# KiCad board Main.kicad_pcb (continued)
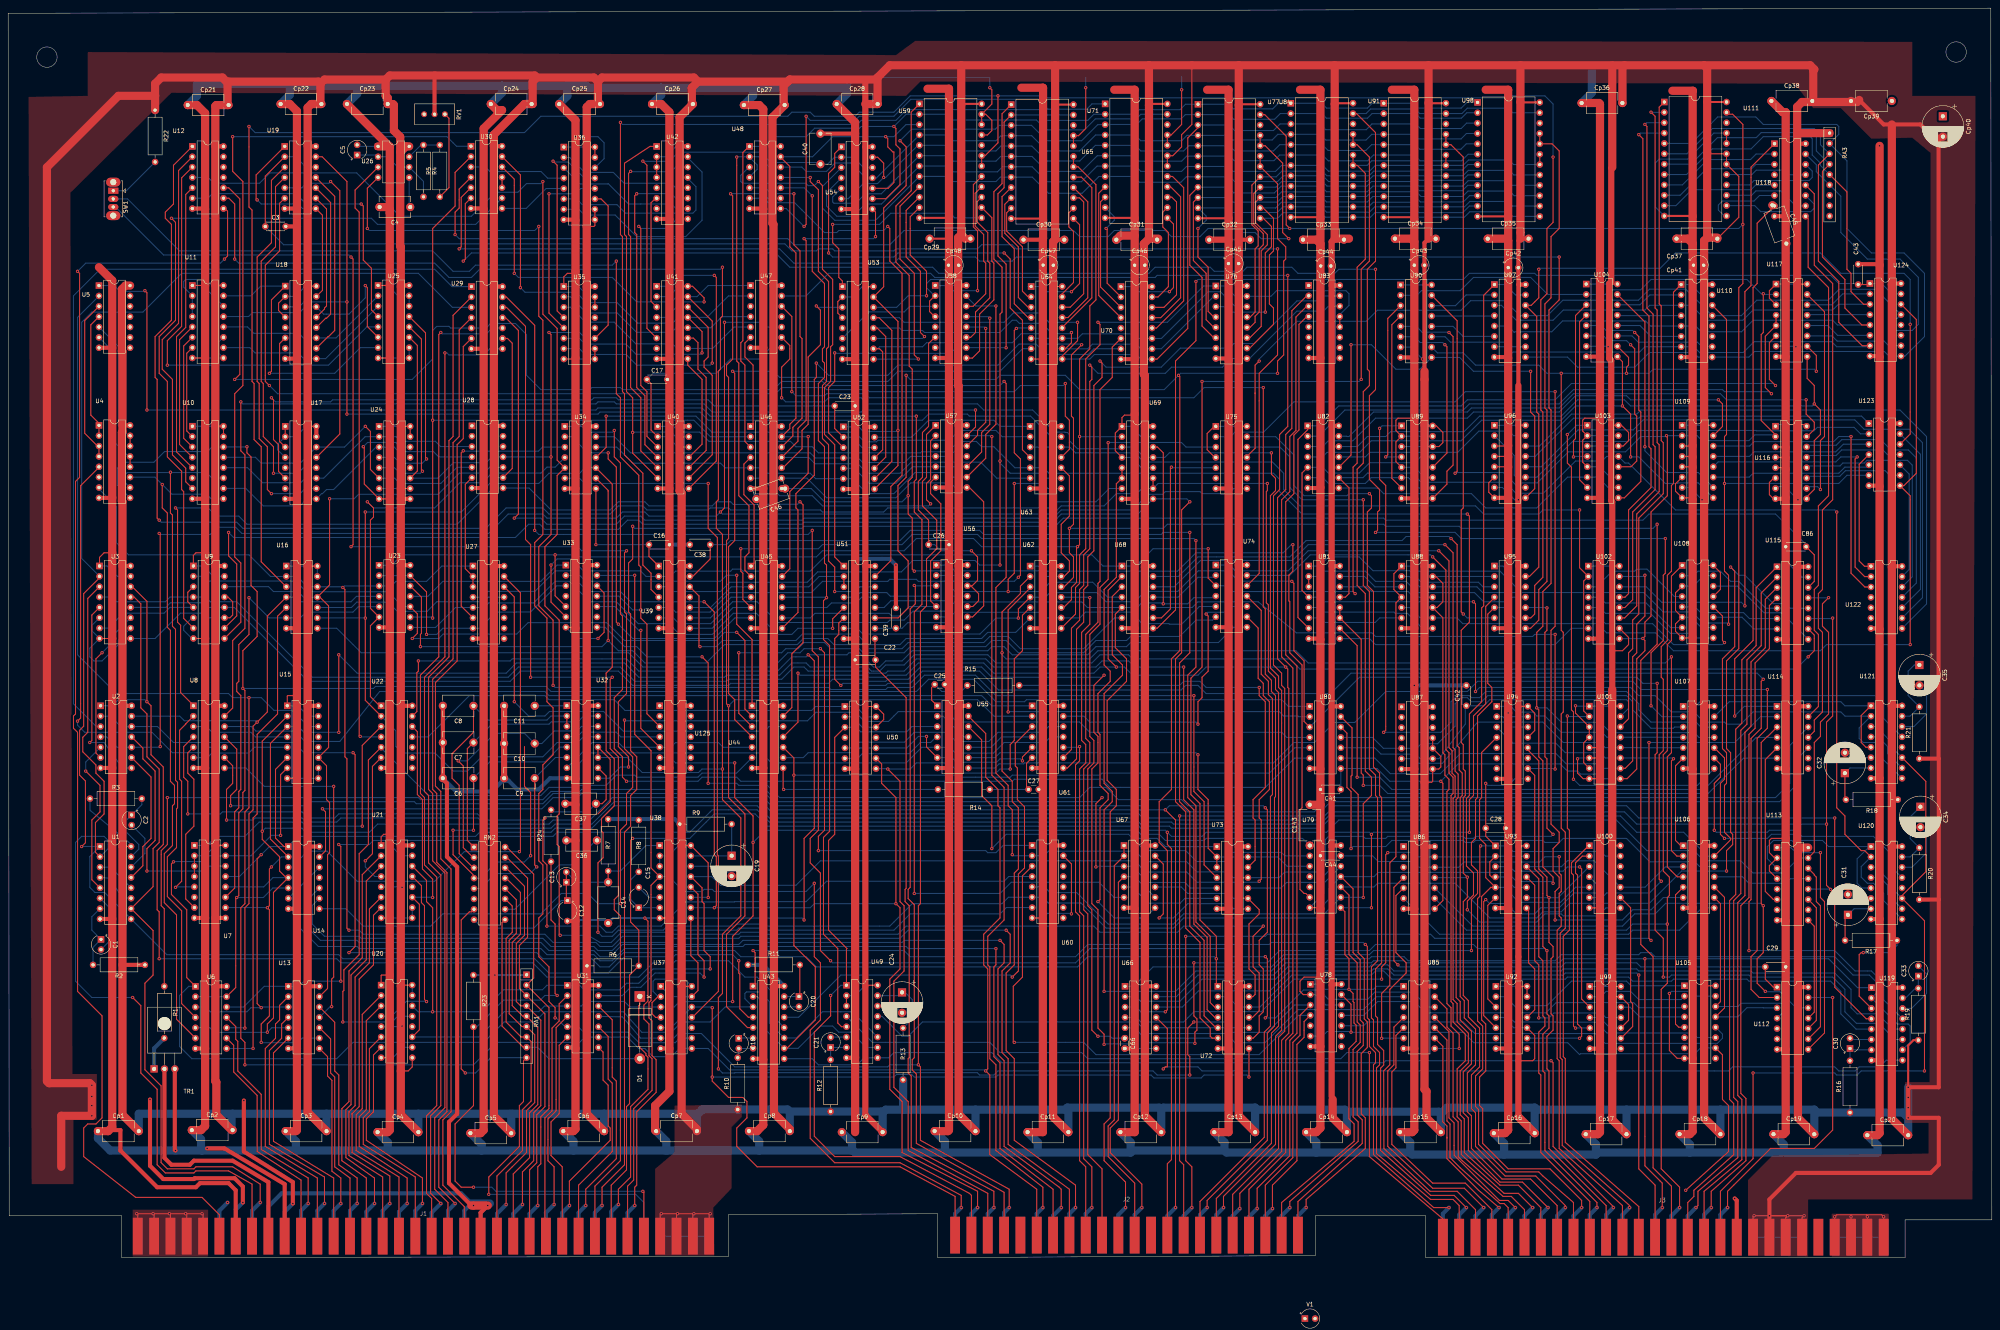
[diagram p0: board, top side]
## Library data of the parts (continued)
U59 U65 U71 U77 U84 U91 U98 U111 = -: Description: OTP EPROM 64 KiBit, [Obsolete 2004-01]; Sim.Device: SUBCKT; Sim.Library: ../IC.LIB; Sim.Name: ROM
U60 U89 U103 U108 U118 = -: Description: Quad 2 to 1 line Multiplexer; Sim.Device: SUBCKT; Sim.Library: ../7400.LIB; Sim.Name: 74157; Sim.Pins: 1=strb 2=selectab 3=1a 4=1b 5=1y 6=2a 7=2b 8=2y 9=3a 10=3b 11=3y 12=4a 13=4b 14=4y 15=TTLin 16=TTLin
U61 U63 U72 U86 U122 = -: Description: quad 2-input NOR gate; Sim.Device: SUBCKT; Sim.Library: ../7400.LIB; Sim.Name: 7402; Sim.Pins: 1=in1 2=in2 3=out
U64 = -: Description: Multiplexer 8 to 1; Sim.Device: SUBCKT; Sim.Library: /home/stoned/MonacoGP/7400.LIB; Sim.Name: 74151A; Sim.Pins: 1=ebar 2=s0 3=s1 4=s2 5=i0 6=i1 7=i2 8=i3 9=i4 10=i5 11=i6 12=i7 13=z 14=zbar 15=TTLin 16=TTLin
U67 U100 = -: Description: dual 2-wide 2-input AND-OR-INVERT gates (one gate expandable); Sim.Device: SUBCKT; Sim.Library: ../7400.LIB; Sim.Pins: 1=1a 2=1b 3=1c 4=1d 5=x 6=xb 7=1y 8=2a 9=2b 10=2c 11=2d 12=2y 13=TTLin 14=TTLin
U74 = -: Description: Triple 3-input NOR; Sim.Device: SUBCKT; Sim.Library: ../7400.LIB; Sim.Name: 7427
U83 = -: Description: 4 to 10 line Decoder; Sim.Device: SUBCKT; Sim.Library: ../7400.LIB; Sim.Name: 7442
U85 U125 = -: Description: Triple 3-input AND; Sim.Device: SUBCKT; Sim.Library: ../7400.LIB; Sim.Name: 7411; Sim.Pins: 1=in1 2=in2 3=in3 4=out
U87 = -: Description: Dual JK Flip-Flop, reset; Sim.Device: SUBCKT; Sim.Library: ../7400.LIB; Sim.Name: 74107; Sim.Pins: 1=clk 2=clrbar 3=j 4=k 5=q 6=qbar 7=TTLout 8=TTLout
U90 U96 U101 U102 U104 U109 U116 U117 = -: Description: Synchronous 4-bit programmable binary Counter; Sim.Device: SUBCKT; Sim.Library: ../7400.LIB; Sim.Name: 74161; Sim.Pins: 1=clk 2=enp 3=ent 4=clrb 5=loadb 6=a 7=b 8=c 9=d 10=qa 11=qb 12=qc 13=qd 14=rco 15=TTLout 16=TTLout
U94 = -: Description: 8-bit addressable latch; Sim.Device: SUBCKT; Sim.Library: ../7400.LIB; Sim.Name: 74259; Sim.Pins: 1=clrb 2=gb 3=d 4=s0 5=s1 6=s2 7=q0 8=q1 9=q2 10=q3 11=q4 12=q5 13=q6 14=q7 15=TTLout 16=TTLout
U97 U110 U124 = -: Description: Hex Bus Driver 3-state outputs; Sim.Device: SUBCKT; Sim.Library: ../7400.LIB; Sim.Name: 74367A; Sim.Pins: 1=1a1 2=1a2 3=1a3 4=1a4 5=2a1 6=2a2 7=g1b 8=g2b 9=1y1 10=1y2 11=1y3 12=1y4 13=2y1 14=2y2 15=TTLout 16=TTLout
U105 U115 = -: Description: 256-Bit TTL PROM; Sim.Device: SUBCKT; Sim.Library: ../IC.LIB
V1 = -: Description: Voltage source, DC; Sim.Device: V; Sim.Pins: 1=+ 2=-; Sim.Type: DC

## Footprints (pads in the part's own frame, mm; a bottom-side part is the same pattern mirrored in y, then rotated)
C_Disc_D3.0mm_W1.6mm_P2.50mm
  round 1.6 hole 0.8: 1(0,0) 2(2.5,0)
C_Disc_D4.3mm_W1.9mm_P5.00mm
  round 1.6 hole 0.8: 1(0,0) 2(5,0)
C_Disc_D4.7mm_W2.5mm_P5.00mm
  round 1.6 hole 0.8: 1(0,0) 2(5,0)
C_Disc_D7.5mm_W5.0mm_P7.50mm
  round 2 hole 1: 1(0,0) 2(7.5,0)
C_Disc_D7.5mm_W5.0mm_P10.00mm
  round 2 hole 1: 1(0,0) 2(10,0)
CP_Radial_D10.0mm_P5.00mm
  rect 2x2 hole 1: 1(0,0)
  round 2 hole 1: 2(5,0)
CP_Radial_Tantal_D4.5mm_P2.50mm
  rect 1.6x1.6 hole 0.8: 1(0,0)
  round 1.6 hole 0.8: 2(2.5,0)
CP_Radial_Tantal_D4.5mm_P5.00mm
  rect 1.6x1.6 hole 0.8: 1(0,0)
  round 1.6 hole 0.8: 2(5,0)
D_DO-201AE_P15.24mm_Horizontal
  rect 2.6x2.6 hole 1.3: 1(0,0)
  oval 2.6x2.6 hole 1.3: 2(15.24,0)
DIP-8_W7.62mm
  rect 1.6x1.6 hole 0.8: 1(0,0)
  oval 1.6x1.6 hole 0.8: 2(0,-2.54) 3(0,-5.08) 4(0,-7.62) 5(7.62,-7.62) 6(7.62,-5.08) 7(7.62,-2.54) 8(7.62,0)
DIP-14_W7.62mm
  rect 1.6x1.6 hole 0.8: 1(0,0)
  oval 1.6x1.6 hole 0.8: 2(0,-2.54) 3(0,-5.08) 4(0,-7.62) 5(0,-10.16) 6(0,-12.7) 7(0,-15.24) 8(7.62,-15.24) 9(7.62,-12.7) 10(7.62,-10.16) 11(7.62,-7.62) 12(7.62,-5.08) 13(7.62,-2.54) 14(7.62,0)
DIP-16_W7.62mm
  rect 1.6x1.6 hole 0.8: 1(0,0)
  oval 1.6x1.6 hole 0.8: 2(0,-2.54) 3(0,-5.08) 4(0,-7.62) 5(0,-10.16) 6(0,-12.7) 7(0,-15.24) 8(0,-17.78) 9(7.62,-17.78) 10(7.62,-15.24) 11(7.62,-12.7) 12(7.62,-10.16) 13(7.62,-7.62) 14(7.62,-5.08) 15(7.62,-2.54) 16(7.62,0)
DIP-24_W15.24mm
  rect 1.6x1.6 hole 0.8: 1(0,0)
  oval 1.6x1.6 hole 0.8: 2(0,-2.54) 3(0,-5.08) 4(0,-7.62) 5(0,-10.16) 6(0,-12.7) 7(0,-15.24) 8(0,-17.78) 9(0,-20.32) 10(0,-22.86) 11(0,-25.4) 12(0,-27.94) 13(15.24,-27.94) 14(15.24,-25.4) 15(15.24,-22.86) 16(15.24,-20.32) 17(15.24,-17.78) 18(15.24,-15.24) 19(15.24,-12.7) 20(15.24,-10.16) 21(15.24,-7.62) 22(15.24,-5.08) 23(15.24,-2.54) 24(15.24,0)
MainA
  rect 2.4x9 smd: 1(-70,-5) 2(-66,-5) 3(-62,-5) 4(-58,-5) 5(-54,-5) 6(-50,-5) 7(-46,-5) 8(-42,-5) 9(-38,-5) 10(-34,-5) 11(-30,-5) 12(-26,-5) 13(-22,-5) 14(-18,-5) 15(-14,-5) 16(-10,-5) 17(-6,-5) 18(-2,-5) 19(2,-5) 20(6,-5) 21(10,-5) 22(14,-5) 23(18,-5) 24(22,-5) 25(26,-5) 26(30,-5) 27(34,-5) 28(38,-5) 29(42,-5) 30(46,-5) 31(50,-5) 32(54,-5) 33(58,-5) 34(62,-5) 35(66,-5) 36(70,-5)
  rect 2.4x9 smd far side: 37(-70,-5) 38(-66,-5) 39(-62,-5) 40(-58,-5) 41(-54,-5) 42(-50,-5) 43(-46,-5) 44(-42,-5) 45(-38,-5) 46(-34,-5) 47(-30,-5) 48(-26,-5) 49(-22,-5) 50(-18,-5) 51(-14,-5) 52(-10,-5) 53(-6,-5) 54(-2,-5) 55(2,-5) 56(6,-5) 57(10,-5) 58(14,-5) 59(18,-5) 60(22,-5) 61(26,-5) 62(30,-5) 63(34,-5) 64(38,-5) 65(42,-5) 66(46,-5) 67(50,-5) 68(54,-5) 69(58,-5) 70(62,-5) 71(66,-5) 72(70,-5)
MainB
  rect 2.4x9 smd: 1(-42,-5) 2(-38,-5) 3(-34,-5) 4(-30,-5) 5(-26,-5) 6(-22,-5) 7(-18,-5) 8(-14,-5) 9(-10,-5) 10(-6,-5) 11(-2,-5) 12(2,-5) 13(6,-5) 14(10,-5) 15(14,-5) 16(18,-5) 17(22,-5) 18(26,-5) 19(30,-5) 20(34,-5) 21(38,-5) 22(42,-5)
  rect 2.4x9 smd far side: 23(-42,-5) 24(-38,-5) 25(-34,-5) 26(-30,-5) 27(-26,-5) 28(-22,-5) 29(-18,-5) 30(-14,-5) 31(-10,-5) 32(-6,-5) 33(-2,-5) 34(2,-5) 35(6,-5) 36(10,-5) 37(14,-5) 38(18,-5) 39(22,-5) 40(26,-5) 41(30,-5) 42(34,-5) 43(38,-5) 44(42,-5)
MainC
  rect 2.4x9 smd: 1(-54,-5) 2(-50,-5) 3(-46,-5) 4(-42,-5) 5(-38,-5) 6(-34,-5) 7(-30,-5) 8(-26,-5) 9(-22,-5) 10(-18,-5) 11(-14,-5) 12(-10,-5) 13(-6,-5) 14(-2,-5) 15(2,-5) 16(6,-5) 17(10,-5) 18(14,-5) 19(18,-5) 20(22,-5) 21(26,-5) 22(30,-5) 23(34,-5) 24(38,-5) 25(42,-5) 26(46,-5) 27(50,-5) 28(54,-5)
  rect 2.4x9 smd far side: 29(-54,-5) 30(-50,-5) 31(-46,-5) 32(-42,-5) 33(-38,-5) 34(-34,-5) 35(-30,-5) 36(-26,-5) 37(-22,-5) 38(-18,-5) 39(-14,-5) 40(-10,-5) 41(-6,-5) 42(-2,-5) 43(2,-5) 44(6,-5) 45(10,-5) 46(14,-5) 47(18,-5) 48(22,-5) 49(26,-5) 50(30,-5) 51(34,-5) 52(38,-5) 53(42,-5) 54(46,-5) 55(50,-5) 56(54,-5)
Potentiometer_Bourns_3386C_Horizontal
  round 1.44 hole 0.8: 1(0,0) 2(0,-2.54) 3(0,-5.08)
R_Array_SIP9
  rect 1.6x1.6 hole 0.8: 1(0,0)
  oval 1.6x1.6 hole 0.8: 2(2.54,0) 3(5.08,0) 4(7.62,0) 5(10.16,0) 6(12.7,0) 7(15.24,0) 8(17.78,0) 9(20.32,0)
R_Axial_DIN0309_L9.0mm_D3.2mm_P12.70mm_Horizontal
  round 1.6 hole 0.8: 1(0,0)
  oval 1.6x1.6 hole 0.8: 2(12.7,0)
SW_Slide_1P2T_CK_OS102011MS2Q
  oval 2.2x3.5 hole 1.5: (-2.1,0) (6.1,0)
  rect 1.5x2.5 hole 0.8: 1(0,0)
  oval 1.5x2.5 hole 0.8: 2(2,0) 3(4,0)
TO-126-3_Horizontal_TabDown
  oval 3.2x3.2 hole 3.2 unplated: (2.54,11.1)
  rect 1.8x1.8 hole 1: 1(0,0)
  oval 1.8x1.8 hole 1: 2(2.54,0) 3(5.08,0)

## Nets
GNDPWR: C3.2 C4.2 C5.2 C6.2 C7.2 C8.2 C9.2 C10.2 C11.2 C12.2 C14.2 C16.2 C17.2 C22.2 C23.2 C25.2 C26.2 C27.2 C28.2 C29.2 C36.2 C37.2 C38.2 C39.2 C40.2 C41.2 C42.2 C43.2 C44.2 C45.2 C46.2 C66.2 C86.2 C143.2 Cp1.1 Cp2.1 Cp3.1 Cp4.1 Cp5.1 Cp6.1 Cp7.1 Cp8.1 Cp9.1 Cp10.1 Cp11.1 Cp12.1 Cp13.1 Cp14.1 Cp15.1 Cp16.1 Cp17.1 Cp18.1 Cp19.1 Cp20.1 Cp21.1 Cp22.1 Cp23.1 Cp24.1 Cp25.1 Cp26.1 Cp27.1 Cp28.1 Cp29.1 Cp30.1 Cp31.1 Cp32.1 Cp33.1 Cp34.1 Cp35.1 Cp36.1 Cp37.1 Cp38.1 Cp39.1 Cp40.1 Cp41.1 Cp42.1 Cp43.1 Cp44.1 Cp45.1 Cp46.1 Cp47.1 Cp48.1 J1.1 J1.2 J1.3 J1.4 J1.5 J1.7 J1.10 J1.22 J1.31 J1.37 J1.38 J1.39 J1.40 J1.41 J1.45 J1.57 J1.58 J3.25 J3.26 J3.27 J3.28 J3.53 J3.54 J3.55 J3.56 TR1.3 U1.8 U2.7 U3.1 U3.6 U3.8 U3.10 U3.15 U4.8 U5.7 U6.7 U7.8 U8.7 U9.1 U9.6 U9.8 U9.15 U10.8 U11.1 U11.8 U11.9 U11.11 U11.14 U12.7 U13.7 U14.7 U15.1 U15.8 U15.9 U15.10 U15.15 U16.7 U17.8 U18.8 U19.7 U20.1 U20.8 U20.10 U21.1 U21.8 U21.9 U21.10 U21.15 U22.7 U23.7 U24.8 U24.14 U25.1 U25.8 U25.9 U25.10 U25.14 U25.15 U26.1 U27.8 U28.7 U29.7 U30.7 U31.7 U32.8 U33.7 U33.12 U34.7 U35.1 U35.8 U35.9 U35.10 U35.14 U35.15 U36.8 U36.14 U37.7 U38.8 U39.7 U40.7 U41.8 U42.8 U43.8 U44.7 U45.7 U46.7 U47.7 U48.7 U49.8 U50.7 U51.8 U52.7 U53.8 U54.7 U55.7 U56.7 U57.7 U58.8 U59.12 U59.21 U59.22 U59.23 U60.8 U60.15 U61.7 U62.7 U63.7 U64.8 U65.12 U65.20 U65.21 U66.7 U67.7 U68.7 U69.1 U69.4 U69.8 U69.12 U69.15 U70.8 U71.12 U71.20 U71.21 U72.7 U73.7 U74.7 U75.7 U76.8 U77.12 U77.20 U77.21 U78.2 U78.7 U78.12 U79.7 U79.12 U80.7 U81.8 U82.7 U83.8 U84.12 U85.7 U86.7 U87.7 U88.7 U89.2 U89.5 U89.8 U89.11 U89.15 U90.8 U91.12 U92.7 U93.7 U94.8 U94.15 U95.7 U96.3 U96.4 U96.5 U96.6 U96.8 U97.8 U98.12 U99.7 U100.7 U101.5 U101.6 U101.8 U102.8 U103.2 U103.5 U103.8 U103.11 U103.15 U104.8 U105.8 U105.15 U106.7 U107.7 U108.3 U108.6 U108.8 U108.10 U108.15 U109.3 U109.4 U109.5 U109.6 U109.8 U110.8 U111.12 U111.20 U111.21 U112.7 U113.2 U113.4 U113.8 U114.7 U115.8 U115.15 U116.3 U116.4 U116.5 U116.6 U116.8 U117.8 U118.8 U119.8 U120.8 U121.8 U122.7 U123.7 U124.8 U125.7 V1.2
VCC: Cp1.2 Cp2.2 Cp3.2 Cp4.2 Cp5.2 Cp6.2 Cp7.2 Cp8.2 Cp9.2 Cp10.2 Cp11.2 Cp12.2 Cp13.2 Cp14.2 Cp15.2 Cp16.2 Cp17.2 Cp18.2 Cp19.2 Cp20.2 Cp21.2 Cp22.2 Cp23.2 Cp24.2 Cp25.2 Cp26.2 Cp27.2 Cp28.2 Cp29.2 Cp30.2 Cp31.2 Cp32.2 Cp33.2 Cp34.2 Cp35.2 Cp36.2 Cp37.2 Cp38.2 Cp39.2 Cp40.2 Cp41.2 Cp42.2 Cp43.2 Cp44.2 Cp45.2 Cp46.2 Cp47.2 Cp48.2 J1.33 J1.34 J1.35 J1.36 J1.43 J1.46 J1.69 J1.70 J1.71 J1.72 J3.20 J3.21 J3.22 J3.23 J3.48 J3.49 J3.50 J3.51 R2.1 R3.1 R6.1 R7.2 R8.1 R9.1 R10.1 R11.1 R12.1 R13.1 R16.1 R17.1 R18.1 R19.1 R20.2 R21.1 R22.1 R23.1 RA1.1 RA3.1 RV1.2 U1.16 U2.14 U3.16 U4.16 U5.14 U6.14 U7.2 U7.3 U7.4 U7.9 U7.16 U8.14 U9.16 U10.1 U10.15 U10.16 U11.2 U11.3 U11.4 U11.16 U12.14 U13.14 U14.14 U15.16 U16.1 U16.13 U16.14 U17.1 U17.2 U17.4 U17.15 U17.16 U18.2 U18.4 U18.16 U19.14 U20.5 U20.9 U20.15 U20.16 U21.5 U21.16 U22.14 U23.14 U24.1 U24.7 U24.9 U24.10 U24.15 U24.16 U25.16 U26.8 U27.16 U28.14 U29.14 U30.14 U31.14 U32.16 U33.14 U34.14 U35.16 U36.1 U36.9 U36.10 U36.15 U36.16 U37.2 U37.4 U37.14 U38.2 U38.3 U38.11 U38.16 U39.14 U40.14 U41.2 U41.4 U41.16 U42.2 U42.3 U42.4 U42.16 U43.16 U44.14 U45.14 U46.14 U47.14 U48.14 U49.2 U49.3 U49.16 U50.2 U50.12 U50.14 U51.16 U52.14 U53.2 U53.4 U53.16 U54.14 U55.14 U56.14 U57.14 U58.2 U58.4 U58.16 U59.24 U60.16 U61.14 U62.14 U63.14 U64.16 U65.24 U66.14 U67.14 U68.14 U69.16 U70.16 U71.18 U71.19 U71.24 U72.14 U73.14 U74.14 U75.1 U75.4 U75.14 U76.16 U77.24 U78.14 U79.14 U80.14 U81.16 U82.14 U83.16 U84.24 U85.14 U86.14 U87.8 U87.10 U87.11 U87.14 U88.14 U89.3 U89.14 U89.16 U90.1 U90.7 U90.16 U91.24 U92.1 U92.4 U92.10 U92.13 U92.14 U93.14 U94.13 U94.16 U95.14 U96.1 U96.7 U96.16 U97.16 U98.24 U99.1 U99.4 U99.10 U99.13 U99.14 U100.14 U101.1 U101.3 U101.4 U101.7 U101.16 U102.1 U102.10 U102.16 U103.3 U103.14 U103.16 U104.1 U104.7 U104.16 U105.16 U106.14 U107.14 U108.13 U108.16 U109.1 U109.7 U109.16 U110.16 U111.18 U111.19 U111.24 U112.14 U113.3 U113.16 U114.14 U115.16 U116.1 U116.7 U116.16 U117.1 U117.3 U117.7 U117.16 U118.16 U119.3 U119.16 U120.16 U121.16 U122.14 U123.14 U124.16 U125.14 V1.1
7MHz: J3.13 U63.3 U63.12 U101.2 U102.2
14MHz: J3.46 U112.13
8000: U62.1 U79.6
A6: J1.6 U12.8
A8: J1.8 U1.2 U3.3
A9: J1.9 TR1.2
A11: J1.11 U6.9
A12: J1.12 U13.2
A13: J1.13 U13.6
A14: J1.14 U13.10
A15: J1.15 U21.2
A16: J1.16 U21.6
A17: J1.17 U20.2
A18: J1.18 U20.6
A19: J1.19 U29.10
A20: J1.20 U29.2
A21: J1.21 U29.6
A23: J1.23 RA1.7 RN2.11
A24: J1.24 RA1.5 RN2.13
A25: J1.25 RA1.3 RN2.15
A26: J1.26 U31.2
A27: J1.27 U31.6
A28: J1.28 U31.10
A29: J1.29 U29.12
A30: C143.1 J1.30 R6.2 U79.1
A32: J1.32 R23.2 R24.1
Aa: J1.59 RA1.6 RN2.12
Ab: J1.60 RA1.4 RN2.14
Ac: J1.61 RA1.2 RN2.16
ACCE. A: U7.10 U13.9 U14.2 U15.3 U115.10
ACCE. B: U6.5 U7.12 U13.5 U14.4 U15.2 U113.12 U115.11
ACCE. C: U6.3 U7.13 U13.3 U14.1 U15.6 U106.13 U115.12
ACCE. D: J2.14 U6.12 U13.1 U113.15 U115.13
ACCE. ST.: U34.6 U37.11
Ad: J1.62 U31.4
Ae: J1.63 U31.8
AF: J1.42
Af: J1.64 U31.12
Ah: C86.1 J1.65 U115.14
AJ: J1.44 U1.10 U3.13
Aj: D1.1 J1.66
Ak: J1.67 J2.23 U33.13 U38.4
Al: J1.68 RA1.9 RN2.7
AM: J1.47 U6.11
AN: J1.48 U13.4
AP: J1.49 U13.8
AR: J1.50 U13.12
AREA 1: J3.38 U66.5 U68.10 U94.10
AREA 2: J3.37 U93.5 U94.4 U100.5
AREA 3: C28.1 J3.9 U93.1 U94.9 U100.13
AREA 4: J3.10 U93.12 U100.10 U106.3
AREA 5: J3.11 U93.9 U94.12 U100.3
AS: J1.51 U21.3
AT: J1.52 U21.7
AU: J1.53 U20.3
AV: J1.54 U20.7
AW: J1.55 U29.8
AX: J1.56 U29.4
B1: J2.1 U37.5 U37.12 U72.8
B2: J2.2 U49.1 U50.3 U55.3
B3: J2.3 U50.8 U62.5
B4: J2.4 U56.3
B6: J2.6 U5.2 U15.14 U31.9 U37.8 U55.13
B7: J2.7 U14.12
B8: J2.8 U14.9
B9: J2.9 U61.10
B10: J2.10 U70.6
B11: J2.11
B12: J2.12 U67.1 U67.2
B15: J2.15 U114.10
B16: J2.16 U74.11
B17: J2.17 U2.4 U2.10 U47.10 U69.10 U69.11
B18: J2.18 U47.13
B19: J2.19 U83.3
B20: C38.1 J2.20 U39.13 U66.10 U72.5 U78.3
B21: J2.21 U12.10 U29.5 U60.2 U73.11 U78.1 U79.8 U85.1 U95.4
B22: J2.22 U30.5 U60.5 U79.11 U107.11
BB: J2.24 U33.2 U38.10 U50.9
BC: C22.1 J2.25 U51.9
BD: J2.26 U31.11 U37.6 U57.1
BF: J2.28 U8.13 U57.13
BH: J2.29 U14.10
BJ: J2.30 U62.2 U106.4
BK: J2.31 U62.11
BM: J2.33 U39.6 U68.5 U69.14 U74.4
BN: J2.34 U67.4 U67.9
BR: J2.36 U14.13 U114.12
BRIDGE AP.: J3.18 U120.3 U120.11 U121.3 U121.11
BS: J2.37 U114.2
BT: J2.38 U47.12
BU: J2.39 U47.9 U69.3 U69.13
BV: J2.40 U44.11 U68.2 U83.2
BW: J2.41 U83.4
BX: J2.42 U60.3 U78.4
BY: J2.43 U30.4 U77.23 U79.10 U111.23
BZ: J2.44 U80.13
C1: J3.1 U49.4
C2: J3.2 U75.12
C3: J3.3 U86.5
C4: J3.4 U85.5
C5: J3.5 U85.10
C6: J3.6 U85.13
C7: J3.7 U74.1
C8: J3.8 U68.13
C12: C44.1 J3.12 U79.13 U86.12
C15: J3.15 U62.12 U64.6
C16: J3.16 U115.1
C17: J3.17 U115.3
CA: J3.29 U43.1
CAR CONT. CL: U55.8 U112.2
CB: J3.30 U75.13
CC: J3.31 U85.4
CD: J3.32 U85.9
CE: J3.33 U85.11
CF: J3.34 U74.13
CH: J3.35 U68.12
CJ: J3.36 U40.1 U63.5 U86.11
CM: J3.39 U43.9 U49.9
CN: J3.40 U90.10 U104.10 U117.10
CS: J3.43 U86.9 U108.1
CT: J3.44 U115.2
CU: J3.45 U115.4
EXPLO. SEL. A: U39.3 U63.9 U65.1
EXPLO. SEL. B: U39.4 U65.23
EXPLO. SEL. C: U39.5 U63.8 U68.4
EXPLO. ST.: U23.1 U33.5 U62.10 U65.18 U65.19 U69.2
PL-H-ST.: C23.1 U17.6 U52.2 U52.12
PL-V-ST.: C40.1 U41.6 U54.2 U54.12
PLAYER: U43.2 U43.10 U44.10 U49.10 U80.5
SP. DOWN: U72.2 U72.12 U119.5
Vs/1k: U78.10 U105.12
Vs/8: U8.1 U34.10 U60.6 U79.9 U84.23 U91.23 U98.23
Vs/256: U78.6 U78.13 U105.10
Vs/512: U78.11 U105.11
~{ACCI. PULSE}: U34.2 U45.6
~{ACCI. ST}: U51.7 U62.4 U80.3 U119.11
~{ACCI.}: U16.3 U59.18 U59.19 U66.1 U95.5 U95.9
~{COIN&TEST}: U24.11 U25.11 U28.11 U35.11 U36.11 U73.4
~{EXPLO. ST.}: U33.6 U39.2 U68.1 U74.3 U84.18 U84.19 U91.18 U91.19 U98.18 U98.19
~{GRAVEL}: J3.14 U66.12
~{HOME POS.} (G): U23.8 U27.5 U51.5
~{SCORE ST.}: U8.9 U119.4
~{SLIDE}: J3.42 U66.13 U119.1
~{SP IRREG.}: U80.12 U106.12
~{SP. DOWN}: U2.2 U2.12 U72.1 U84.20 U84.21
~{SPLAY A}: U48.8 U71.1
~{SPLAY B}: U45.11 U48.10 U49.5
Net-(C25-Pad1): C25.1 R15.2 U55.1
Net-(C27-Pad1): C27.1 R14.2 U61.6
Net-(D1-A): D1.2 RA1.8 RN2.9
Net-(R1-Pad1): R1.1 U44.6
Net-(R5-Pad1): R5.1 RV1.1
Net-(R14-Pad1): R14.1 U44.8
Net-(R15-Pad1): R15.1 U73.12
Net-(RA3-R1): RA3.2 U97.9 U110.9 U111.5 U124.9
Net-(RA3-R2): RA3.3 U97.7 U110.7 U111.6 U124.7
Net-(RA3-R3): RA3.4 U97.5 U110.5 U111.7 U124.5
Net-(RA3-R4): RA3.5 U97.3 U110.3 U111.8 U124.3
Net-(RA3-R5): RA3.6 U75.11 U97.13 U110.13 U118.15 U124.13
Net-(RN2A-R1.1): C7.1 RN2.1 U32.15
Net-(RN2B-R2.1): C10.1 RN2.2 U32.14
Net-(RN2C-R3.1): C8.1 RN2.3 U32.2 U32.3
Net-(RN2D-R4.1): C6.1 RN2.4 U32.5
Net-(RN2E-R5.1): C9.1 RN2.5 U32.6
Net-(RN2G-R7.2): C36.1 RN2.10
Net-(RN2H-R8.1): C12.1 C13.1 C13.2 C14.1 R7.1 RN2.8 U38.1
Net-(SW1-A): R22.2 SW1.1
Net-(SW1-B): SW1.2 U33.11 U125.3
Net-(SW1-C): SW1.3 U32.9
Net-(TR1-B): R1.2 TR1.1
Net-(U1A-A): U1.1 U1.9 U3.2 U29.3 U43.4
Net-(U1A-Cext): C2.2 U1.14
Net-(U1A-Clr): U1.3 U1.12
Net-(U1A-Q): U1.13 U2.9
Net-(U1A-RCext): C2.1 R3.2 U1.15
Net-(U1A-~{Q}): U1.4 U1.11
Net-(U1B-Cext): C1.2 U1.6
Net-(U1B-Q): U1.5 U2.5
Net-(U1B-RCext): C1.1 R2.2 U1.7
Net-(U2-Pad3): U2.3 U29.1
Net-(U3-I1a): U2.8 U3.5
Net-(U3-I1b): U2.6 U3.11
Net-(U3-I2a): U3.4 U9.4 U72.4
Net-(U3-I2b): U3.12 U9.12 U66.8
Net-(U3-S0): U2.1 U3.14 U43.12
Net-(U3-Za): U3.7 U9.3 U9.5
Net-(U3-Zb): U3.9 U9.11 U9.13
Net-(U4-I0): U4.3 U4.4 U5.3
Net-(U4-I2): U4.1 U4.2 U5.4
Net-(U4-I4): U4.14 U4.15 U5.5
Net-(U4-I6): U4.12 U4.13 U5.6
Net-(U4-Z): U4.5 U8.10
Net-(U5A-CP): U5.1 U67.6
Net-(U7-B1): U7.11 U16.6 U23.5
Net-(U7-B2): U2.11 U7.14
Net-(U7-B3): U7.1 U22.3
Net-(U7-Oa<b): U7.7 U8.5
Net-(U7-Oa>b): U7.5 U8.2
Net-(U9-S1): U9.2 U23.10 U44.2
Net-(U9-Za): U9.7 U30.9
Net-(U9-Zb): U9.9 U30.1
Net-(U10-A0): U10.10 U17.9 U24.3 U28.4
Net-(U10-A1): U10.12 U17.11 U24.2 U28.3
Net-(U10-A2): U10.13 U17.14 U24.6 U28.5
Net-(U10-B0): U4.11 U6.6 U10.9
Net-(U10-B1): U4.10 U6.4 U10.11
Net-(U10-B2): U4.9 U6.2 U6.13 U10.14 U14.5 U80.1
Net-(U10-Ia<b): U10.2 U11.7
Net-(U10-Ia=b): U10.3 U11.6
Net-(U10-Ia>b): U10.4 U11.5
Net-(U10-Oa<b): U10.7 U12.2
Net-(U10-Oa>b): U10.5 U12.5
Net-(U11-A0): U11.10 U18.9 U25.3
Net-(U11-A1): U11.12 U18.11 U25.2
Net-(U11-A2): U11.13 U18.14 U25.6
Net-(U11-A3): U11.15 U18.1 U25.7
Net-(U13-Pad11): U8.8 U13.11
Net-(U14-Pad8): U14.8 U80.4
Net-(U15-DOWN): U8.3 U15.4
Net-(U15-QD): U6.1 U7.15 U15.7 U43.3 U43.11 U49.11
Net-(U15-UP): U8.6 U15.5
Net-(U15-~{LOAD}): U9.14 U13.13 U15.11 U16.11 U28.10
Net-(U16-Pad4): U2.13 U6.10 U16.4 U23.4
Net-(U16-Pad5): U6.8 U16.5
Net-(U17-A0): U17.10 U19.3
Net-(U17-A1): U17.12 U19.4
Net-(U17-A2): U17.13 U19.5
Net-(U17-Ia=b): U17.3 U18.6
Net-(U18-A0): U18.10 U19.11
Net-(U18-A1): U18.12 U19.10
Net-(U18-A2): U18.13 U19.9
Net-(U18-A3): U18.15 U19.1 U19.8
Net-(U18-Ia=b): U18.3 U19.13 U63.13
Net-(U19A-MR): C3.1 U19.2 U19.12 U74.12
Net-(U19A-Q3): U19.6 U63.11
Net-(U20-CLR): U20.14 U21.14 U31.1 U38.13 U74.9
Net-(U20-DOWN): U20.4 U21.13
Net-(U20-~{BO}): U20.13 U22.5 U55.5 U61.11
Net-(U20-~{LOAD}): U20.11 U21.11 U22.12 U31.3 U37.3 U73.1 U125.6
Net-(U21-DOWN): U21.4 U22.6
Net-(U22-Pad1): U22.1 U23.6 U34.4
Net-(U23-Pad9): U23.9 U30.2 U46.2
Net-(U23-Pad12): U23.12 U34.9 U68.6
Net-(U24-DOWN): U24.4 U25.13
Net-(U24-UP): U24.5 U25.12
Net-(U25-DOWN): U12.6 U25.4
Net-(U25-UP): U12.3 U25.5
Net-(U26-CV): C4.1 U26.5
Net-(U26-DIS): R4.1 R5.2 U26.7
Net-(U26-Q): U22.4 U26.3
Net-(U26-R): U26.4 U31.5 U37.9
Net-(U26-THR): C5.1 R4.2 U26.2 U26.6
Net-(U27A-Q): U27.4 U44.1
Net-(U27A-~{R}): U4.7 U16.2 U16.12 U23.3 U27.1 U72.11
Net-(U27A-~{S1}): U27.2 U27.3 U28.6
Net-(U27B-Q): U23.2 U23.13 U27.7 U33.3
Net-(U27B-~{S}): U27.6 U34.3
Net-(U27D-Q): U16.10 U27.13
Net-(U27D-~{R}): U27.14 U44.12
Net-(U27D-~{S}): U14.6 U27.15
Net-(U28-Pad8): U28.8 U44.13
Net-(U29-Pad13): U29.13 U85.12
Net-(U30-Pad10): U30.10 U30.11
Net-(U32A-Q): U32.4 U125.4
Net-(U32A-~{R}): C11.1 U32.1
Net-(U32B-Q): U32.7 U33.10 U44.5 U125.5
Net-(U32C-~{R}): C37.1 R24.2 U32.10
Net-(U32C-~{S1}): U12.9 U32.11 U32.12 U72.10
Net-(U32D-Q): U16.9 U22.2 U28.9 U29.9 U32.13
Net-(U33A-~{R}): U23.11 U33.1
Net-(U33B-~{Q}): U33.8 U72.9
Net-(U34-Pad1): U34.1 U80.6
Net-(U34-Pad11): U34.11 U63.2
Net-(U35-DOWN): U35.4 U36.13
Net-(U35-QA): U35.3 U41.10 U47.5
Net-(U35-QB): U35.2 U41.12 U47.4
Net-(U35-QC): U30.13 U35.6 U41.13 U47.2
Net-(U35-QD): U30.12 U35.7 U41.15 U47.1
Net-(U35-UP): U35.5 U36.12
Net-(U36-DOWN): U30.3 U36.4
Net-(U36-QA): U36.3 U42.10
Net-(U36-QB): U36.2 U42.12
Net-(U36-QC): U36.6 U42.13
Net-(U36-QD): U36.7 U42.15
Net-(U36-UP): U30.8 U36.5
Net-(U37A-~{R}): U22.13 U37.1 U37.13 U38.9 U74.8
Net-(U38A-Cext): C19.2 U38.14
Net-(U38A-RCext): C19.1 R9.2 U38.15
Net-(U38B-Cext): C15.2 U38.6
Net-(U38B-RCext): C15.1 R8.2 U38.7
Net-(U38B-~{Q}): U31.13 U38.12
Net-(U39A-CP): C16.1 U34.8 U39.1
Net-(U39B-MR): U39.12 U62.6
Net-(U39B-Q1): U39.10 U45.3
Net-(U39B-Q2): U39.9 U45.4
Net-(U39B-Q3): U39.8 U45.5 U72.3
Net-(U40A-MR): C17.1 U40.2 U40.12 U47.8
Net-(U40A-Q0): U40.3 U42.9
Net-(U40A-Q1): U40.4 U42.11
Net-(U40A-Q2): U40.5 U42.14
Net-(U40A-Q3): U40.6 U40.13 U42.1
Net-(U40B-Q0): U40.11 U41.9
Net-(U40B-Q1): U40.10 U41.11
Net-(U40B-Q2): U40.9 U41.14
Net-(U40B-Q3): U40.8 U41.1
Net-(U41-Ia=b): U41.3 U42.6
Net-(U43A-Cext): C20.2 U43.14
Net-(U43A-Q): U43.13 U61.3
Net-(U43A-RCext): C20.1 R11.2 U43.15
Net-(U43B-Cext): C18.1 U43.6
Net-(U43B-Q): U43.5 U48.9 U61.2
Net-(U43B-RCext): C18.2 R10.2 U43.7
Net-(U44-Pad3): U44.3 U74.6
Net-(U45-Pad1): U45.1 U46.4
Net-(U45-Pad9): U45.9 U56.5 U57.6
Net-(U46-Pad1): U46.1 U47.6
Net-(U46-Pad6): U46.6 U57.2
Net-(U46-Pad9): U46.9 U56.9 U57.8
Net-(U46-Pad12): U46.12 U48.5
Net-(U49A-Cext): C24.2 U49.14
Net-(U49A-Q): U49.13 U85.2
Net-(U49A-RCext): C24.1 R13.2 U49.15
Net-(U49B-Cext): C21.2 U49.6
Net-(U49B-RCext): C21.1 R12.2 U49.7
Net-(U50A-Q): U50.5 U61.12
Net-(U50A-~{Q}): U50.6 U55.4
Net-(U50A-~{R}): U22.11 U50.1 U50.13
Net-(U50B-~{S}): U44.9 U50.10 U55.6 U61.5
Net-(U51A-Q): U51.4 U56.4
Net-(U51A-~{R}): U48.3 U51.1
Net-(U51A-~{S1}): U45.12 U51.2 U51.3
Net-(U51C-~{R}): C39.1 U51.10 U56.8
Net-(U51C-~{S1}): U51.11 U66.3 U77.18 U77.19
Net-(U51C-~{S2}): U51.12 U56.11
Net-(U51D-Q): U45.10 U51.13
Net-(U51D-~{R}): U48.11 U51.14
Net-(U51D-~{S}): U48.6 U51.15
Net-(U52A-CP): U52.1 U52.8 U53.15 U65.3 U71.3 U77.2 U84.2 U91.2 U98.2
Net-(U52A-Q0): U52.3 U58.10 U65.2 U71.2 U77.1 U84.1 U91.1 U98.1
Net-(U52A-Q1): U34.13 U52.4 U57.4 U57.12 U58.12
Net-(U52A-Q2): U52.5 U57.5 U57.10 U58.13
Net-(U52A-Q3): U34.12 U46.5 U52.6 U57.9 U58.15
Net-(U52B-CP): U52.13 U63.1
Net-(U52B-Q0): U52.11 U53.10 U64.11 U70.11 U76.14
Net-(U52B-Q1): U52.10 U53.12 U64.10 U70.10 U76.2
Net-(U52B-Q2): U52.9 U53.13 U64.9 U70.9 U77.3 U84.3 U91.3 U98.3
Net-(U53-B0): U53.9 U59.9
Net-(U53-B1): U53.11 U59.10
Net-(U53-B2): U53.14 U59.11
Net-(U53-B3): U53.1 U59.13
Net-(U53-Ia=b): U46.10 U53.3
Net-(U53-Oa=b): U53.6 U58.3
Net-(U54A-CP): U54.1 U63.4
Net-(U54A-Q0): U54.3 U59.8 U65.8 U71.8 U77.8 U84.8 U91.8 U98.8
Net-(U54A-Q1): U54.4 U59.7 U65.7 U71.7 U77.7 U84.7 U91.7 U98.7
Net-(U54A-Q2): U54.5 U59.6 U65.6 U71.6 U77.6 U84.6 U91.6 U98.6
Net-(U54A-Q3): U54.6 U54.13 U59.5 U65.5 U71.5 U77.5 U84.5 U91.5 U98.5
Net-(U54B-Q0): U45.2 U48.2 U48.4 U48.12 U54.11 U59.4 U65.4 U71.4 U77.4 U84.4 U91.4 U98.4
Net-(U54B-Q1): U45.13 U46.13 U48.13 U54.10 U59.3
Net-(U54B-Q2): U46.3 U48.1 U54.9 U59.2 U71.23
Net-(U54B-Q3): U46.11 U54.8 U63.6
Net-(U55-Pad10): U55.10 U61.4
Net-(U55-Pad11): U55.2 U55.11
Net-(U56-Pad1): U56.1 U62.13 U63.10
Net-(U56-Pad6): U56.6 U62.9 U74.5
Net-(U58-B0): U58.9 U59.14
Net-(U58-B1): U58.11 U59.15
Net-(U58-B2): U58.14 U59.16
Net-(U58-B3): U58.1 U59.17
Net-(U58-Oa=b): C26.1 U56.10 U56.12 U58.6
Net-(U59-A7): C46.1 U46.8 U56.13 U59.1
Net-(U60-S): U16.8 U60.1
Net-(U60-Za): U8.4 U60.4
Net-(U60-Zb): U12.4 U34.5 U60.7
Net-(U61-Pad1): U8.12 U61.1
Net-(U61-Pad13): U61.13 U74.10
Net-(U62-Pad3): U62.3 U80.2
Net-(U64-I0): U64.4 U65.9
Net-(U64-I1): U64.3 U65.10
Net-(U64-I2): U64.2 U65.11
Net-(U64-I3): U64.1 U65.13
Net-(U64-I4): U64.15 U65.14
Net-(U64-I5): U64.14 U65.15
Net-(U64-I6): U64.13 U65.16
Net-(U64-I7): U64.12 U65.17
Net-(U64-Z): U56.2 U64.5
Net-(U64-~{E}): U44.4 U64.7
Net-(U66-Pad4): U66.4 U86.13 U93.2 U93.4 U93.10 U93.13
Net-(U67A-1B): U67.13 U73.8
Net-(U67A-1D): U67.10 U72.13 U73.9
Net-(U67A-1Y): U67.8 U69.5 U69.6
Net-(U67B-2B): U8.11 U67.3 U73.5
Net-(U67B-2D): U67.5 U73.6
Net-(U68-Pad11): U68.11 U74.2
Net-(U69-Za): U12.1 U69.7
Net-(U69-Zb): U9.10 U66.9 U69.9 U72.6
Net-(U70-I0): U70.4 U71.9
Net-(U70-I1): U70.3 U71.10
Net-(U70-I2): U70.2 U71.11
Net-(U70-I3): U70.1 U71.13
Net-(U70-I4): U70.15 U71.14
Net-(U70-I5): U70.14 U71.15
Net-(U70-I6): U70.13 U71.16
Net-(U70-I7): U70.12 U71.17
Net-(U70-~{E}): U45.8 U70.7
Net-(U73-Pad10): U73.10 U95.10
Net-(U75A-C): C66.1 U66.6 U75.3
Net-(U75A-D): U75.2 U106.6
Net-(U75A-Q): U68.9 U75.5
Net-(U75B-~{Q}): U29.11 U75.8
Net-(U76-Ea): U62.8 U76.1 U76.15 U83.12 U83.13
Net-(U76-I0a): U76.6 U77.9 U84.9 U91.9 U98.9
Net-(U76-I0b): U76.10 U77.14 U84.14 U91.14 U98.14
Net-(U76-I1a): U76.5 U77.10 U84.10 U91.10 U98.10
Net-(U76-I1b): U76.11 U77.15 U84.15 U91.15 U98.15
Net-(U76-I2a): U76.4 U77.11 U84.11 U91.11 U98.11
Net-(U76-I2b): U76.12 U77.16 U84.16 U91.16 U98.16
Net-(U76-I3a): U76.3 U77.13 U84.13 U91.13 U98.13
Net-(U76-I3b): U76.13 U77.17 U84.17 U91.17 U98.17
Net-(U76-Za): U61.8 U76.7 U83.15
Net-(U76-Zb): U61.9 U76.9 U83.14
Net-(U79A-MR): U55.9 U73.2 U73.3 U79.2
Net-(U79A-Q0): U55.12 U73.13 U79.3
Net-(U81A-~{R}): U81.1 U95.3
Net-(U81A-~{S1}): U81.2 U81.3 U95.11
Net-(U81B-~{R}): U81.5 U88.8
Net-(U81B-~{S}): U81.6 U88.6
Net-(U81C-~{R}): U81.10 U114.4
Net-(U81C-~{S1}): U81.11 U81.12 U114.6
Net-(U81D-~{R}): U81.14 U88.11
Net-(U81D-~{S}): U81.15 U88.3
Net-(U85-Pad6): U85.6 U88.1 U88.4 U95.12
Net-(U85-Pad8): U85.8 U88.10 U88.13 U95.2
Net-(U87B-Q): U80.11 U87.5 U107.3
Net-(U87B-~{Q}): U87.6 U94.14
Net-(U89-I1b): U82.6 U89.6 U89.10
Net-(U89-S): U89.1 U107.12
Net-(U89-Za): U89.4 U90.3
Net-(U89-Zb): U89.7 U90.4
Net-(U89-Zc): U89.9 U90.5
Net-(U89-Zd): U89.12 U90.6
Net-(U90-Q0): U90.14 U97.2
Net-(U90-Q1): U90.13 U97.4
Net-(U90-Q2): U90.12 U97.6
Net-(U90-Q3): U90.11 U97.10
Net-(U90-TC): U90.15 U96.10
Net-(U90-~{PE}): U82.10 U90.9 U96.9
Net-(U91-A10): U91.20 U91.21 U95.6
Net-(U92A-C): U92.3 U93.6
Net-(U92B-C): U92.11 U93.8
Net-(U96-Q0): U96.14 U122.8
Net-(U96-Q1): U96.13 U123.1
Net-(U96-Q2): U96.12 U122.9
Net-(U96-Q3): U96.11 U123.2
Net-(U96-TC): U82.11 U96.15
Net-(U97-I6): U95.1 U95.13 U97.14 U123.12
Net-(U98-A10): U95.8 U98.20 U98.21
Net-(U99A-C): U93.3 U99.3
Net-(U99B-C): U93.11 U99.11
Net-(U100A-1A): U99.5 U100.1
Net-(U100A-1C): U99.9 U100.9
Net-(U100A-1Y): U97.1 U97.15 U100.8
Net-(U100B-2A): U92.9 U100.2
Net-(U100B-2C): U92.5 U100.4
Net-(U100B-2Y): U100.6 U110.1 U110.15
Net-(U101-CET): U80.9 U101.10 U102.15
Net-(U101-Q0): U101.14 U111.1
Net-(U101-Q1): U94.1 U101.13 U107.4
Net-(U101-Q2): U94.2 U101.12 U107.5
Net-(U101-Q3): U94.3 U101.11 U106.2
Net-(U101-TC): C42.1 U80.10 U87.9 U101.15
Net-(U101-~{PE}): C41.1 U80.8 U86.8 U90.2 U96.2 U101.9 U102.9 U104.2 U109.2 U116.2 U117.2
Net-(U102-CEP): U81.9 U102.7
Net-(U102-D0): U102.3 U108.4
Net-(U102-D1): U102.4 U108.7
Net-(U102-D2): U102.5 U108.9
Net-(U102-D3): U102.6 U108.12
Net-(U102-Q0): U102.14 U118.1
Net-(U102-Q1): U102.13 U111.4
Net-(U102-Q2): U102.12 U111.3
Net-(U102-Q3): U102.11 U111.2
Net-(U103-I1b): U82.8 U103.6 U103.10
Net-(U103-I1d): U81.13 U82.9 U103.13 U120.2 U120.9
Net-(U103-S): U103.1 U107.8
Net-(U103-Za): U103.4 U104.3
Net-(U103-Zb): U103.7 U104.4
Net-(U103-Zc): U103.9 U104.5
Net-(U103-Zd): U103.12 U104.6
Net-(U104-Q0): U104.14 U110.2
Net-(U104-Q1): U104.13 U110.4
Net-(U104-Q2): U104.12 U110.6
Net-(U104-Q3): U104.11 U110.10
Net-(U104-TC): U104.15 U109.10
Net-(U104-~{PE}): U82.4 U104.9 U109.9
Net-(U105-A3): U105.13 U106.10 U112.3
Net-(U105-A4): U105.14 U106.9 U112.4
Net-(U105-D0): U92.12 U105.1
Net-(U105-D1): U99.2 U105.2
Net-(U105-D2): U92.2 U105.3
Net-(U105-D3): U99.12 U105.4
Net-(U105-D4): U105.5 U106.5
Net-(U106-Pad1): U106.1 U107.6
Net-(U106-Pad8): U86.6 U106.8
Net-(U107-Pad2): U30.6 U107.2
Net-(U108-I0a): U108.2 U115.5
Net-(U108-I0b): U108.5 U115.6
Net-(U108-I0c): U108.11 U115.7
Net-(U108-I0d): U108.14 U115.9
Net-(U109-Q0): U109.14 U122.3
Net-(U109-Q1): U109.13 U123.3
Net-(U109-Q2): U109.12 U122.2
Net-(U109-Q3): U109.11 U123.5
Net-(U109-TC): U82.3 U109.15
Net-(U110-I6): U88.2 U88.12 U110.14 U123.6
Net-(U111-D0): U111.9 U118.2
Net-(U111-D1): U111.10 U118.3
Net-(U111-D2): U111.11 U118.5
Net-(U111-D3): U111.13 U118.6
Net-(U111-D4): U111.14 U118.11
Net-(U111-D5): U111.15 U118.10
Net-(U111-D6): U111.16 U118.14
Net-(U111-D7): U111.17 U118.13
Net-(U112A-CP): C29.1 U86.4 U112.1
Net-(U112B-MR): U86.10 U112.12 U114.3
Net-(U112B-Q0): U112.11 U113.9
Net-(U112B-Q1): U112.10 U113.11
Net-(U112B-Q2): U112.9 U113.14
Net-(U112B-Q3): U112.8 U113.1
Net-(U113-A2): U106.11 U113.13
Net-(U113-Oa=b): U113.6 U114.5
Net-(U116-CET): U116.10 U117.15
Net-(U116-Q0): U116.14 U122.11
Net-(U116-Q1): U116.13 U123.11
Net-(U116-Q2): U116.12 U122.12
Net-(U116-Q3): U116.11 U123.9
Net-(U116-TC): U82.13 U116.15
Net-(U116-~{PE}): U82.12 U116.9 U117.9
Net-(U117-D1): U82.2 U117.4 U117.5
Net-(U117-D3): U81.7 U82.1 U117.6
Net-(U117-Q0): U117.14 U124.2
Net-(U117-Q1): U117.13 U124.4
Net-(U117-Q2): U117.12 U124.6
Net-(U117-Q3): U117.11 U124.10
Net-(U118-Zb): C45.1 U114.1 U118.7
Net-(U118-Zc): U114.13 U118.9
Net-(U118-Zd): U114.11 U118.12
Net-(U119A-B): U68.3 U119.2 U119.10
Net-(U119A-Cext): C33.2 U119.14
Net-(U119A-Q): U51.6 U119.13
Net-(U119A-RCext): C33.1 R19.2 U119.15
Net-(U119B-A): U66.11 U119.9
Net-(U119B-Cext): C30.2 U119.6
Net-(U119B-RCext): C30.1 R16.2 U119.7
Net-(U119B-~{Q}): U66.2 U119.12
Net-(U120A-A): U107.10 U120.1 U120.5
Net-(U120A-Cext): C34.2 U120.14
Net-(U120A-Q): U107.9 U120.13
Net-(U120A-RCext): C34.1 R20.1 U120.15
Net-(U120A-~{Q}): U120.4 U120.10
Net-(U120B-Cext): C31.2 U120.6
Net-(U120B-RCext): C31.1 R17.2 U120.7
Net-(U121A-A): U107.13 U121.1 U121.5
Net-(U121A-B): U81.4 U82.5 U89.13 U121.2 U121.9
Net-(U121A-Cext): C35.2 U121.14
Net-(U121A-Q): U107.1 U121.13
Net-(U121A-RCext): C35.1 R21.2 U121.15
Net-(U121A-~{Q}): U121.4 U121.10
Net-(U121B-Cext): C32.2 U121.6
Net-(U121B-RCext): C32.1 R18.2 U121.7
Net-(U122-Pad1): U122.1 U123.4
Net-(U122-Pad10): U122.10 U123.13
Net-(U122-Pad13): U122.13 U123.10
Net-(U124-I6): U88.5 U88.9 U123.8 U124.14
Net-(U124-OEa): C43.1 U68.8 U124.1 U124.15

Pads without a net: J2 5 13 27 32 35; J3 19 24 41 47 52; RA3 7 8 9; RN2 6; RV1 3; U4 6; U5 8 9 10 11 12 13; U7 6; U10 6; U12 11 12 13; U14 3 11; U15 12 13; U17 5 7; U18 5 7; U20 12; U21 12; U22 8 9 10; U24 12 13; U27 9 10 11 12; U28 1 2 12 13; U33 4 9; U35 12 13; U37 10; U38 5; U39 11; U41 5 7; U42 5 7; U47 3 11; U49 12; U50 4 11; U53 5 7; U57 3 11; U58 5 7; U59 20; U60 9 10 11 12 13 14; U65 22; U67 11 12; U70 5; U71 22; U75 6 9 10; U77 22; U78 5 8 9; U79 4 5; U83 1 5 6 7 9 10 11; U84 22; U85 3; U86 1 2 3; U87 1 2 3 4 12 13; U91 22; U92 6 8; U94 5 6 7 11; U97 11 12; U98 22; U99 6 8; U100 11 12; U105 6 7 9; U110 11 12; U111 22; U112 5 6; U113 5 7 10; U114 8 9; U118 4; U120 12; U121 12; U122 4 5 6; U124 11 12; U125 1 2 8 9 10 11 12 13

## Via types
v1: diameter 0.8, hole 0.4, Top to Bottom, 593 vias
